# Altium PCB PCB.PcbDoc
Units mm, origin at the board's own origin, x right, y up, seen from the top; angles counter-clockwise.
Board outline 32 x 27 mm, 4 copper layers (L1(SIGNAL), L2 (GND), L3(GND), L4(SIGNAL)), stack 1.57 mm thick; 35 components, 27 nets, 170 pads, 60 vias.
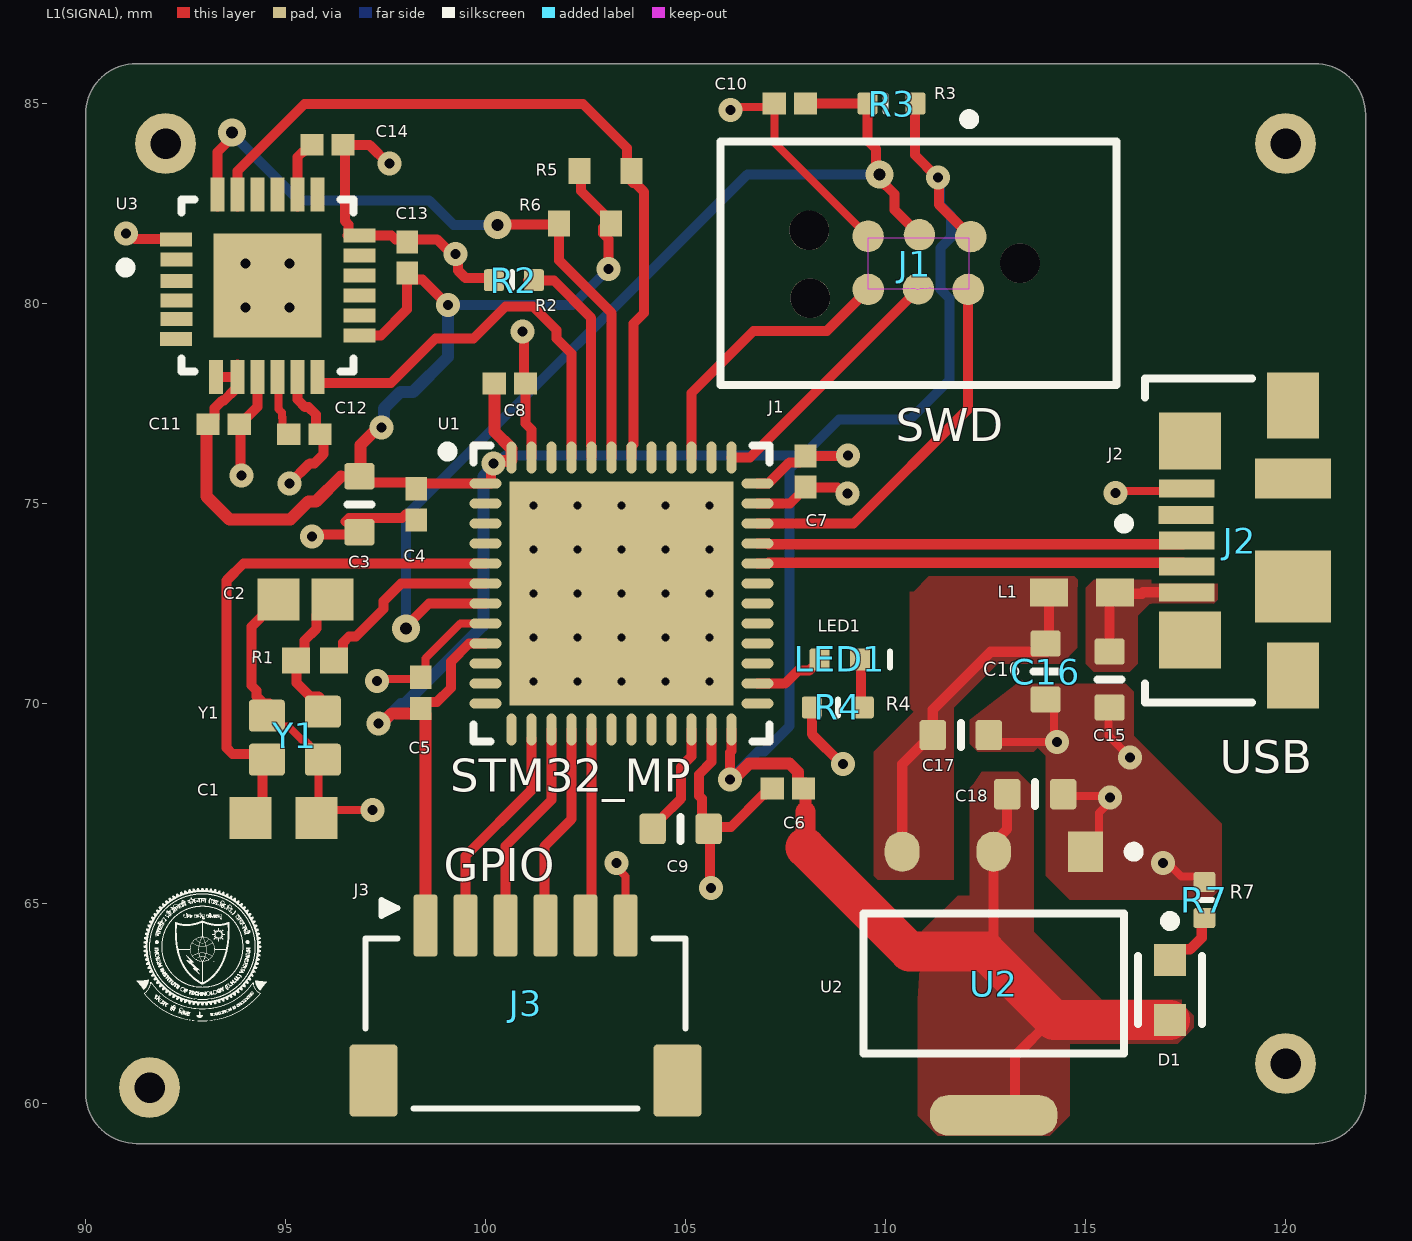
[diagram p0: L1(SIGNAL) view]
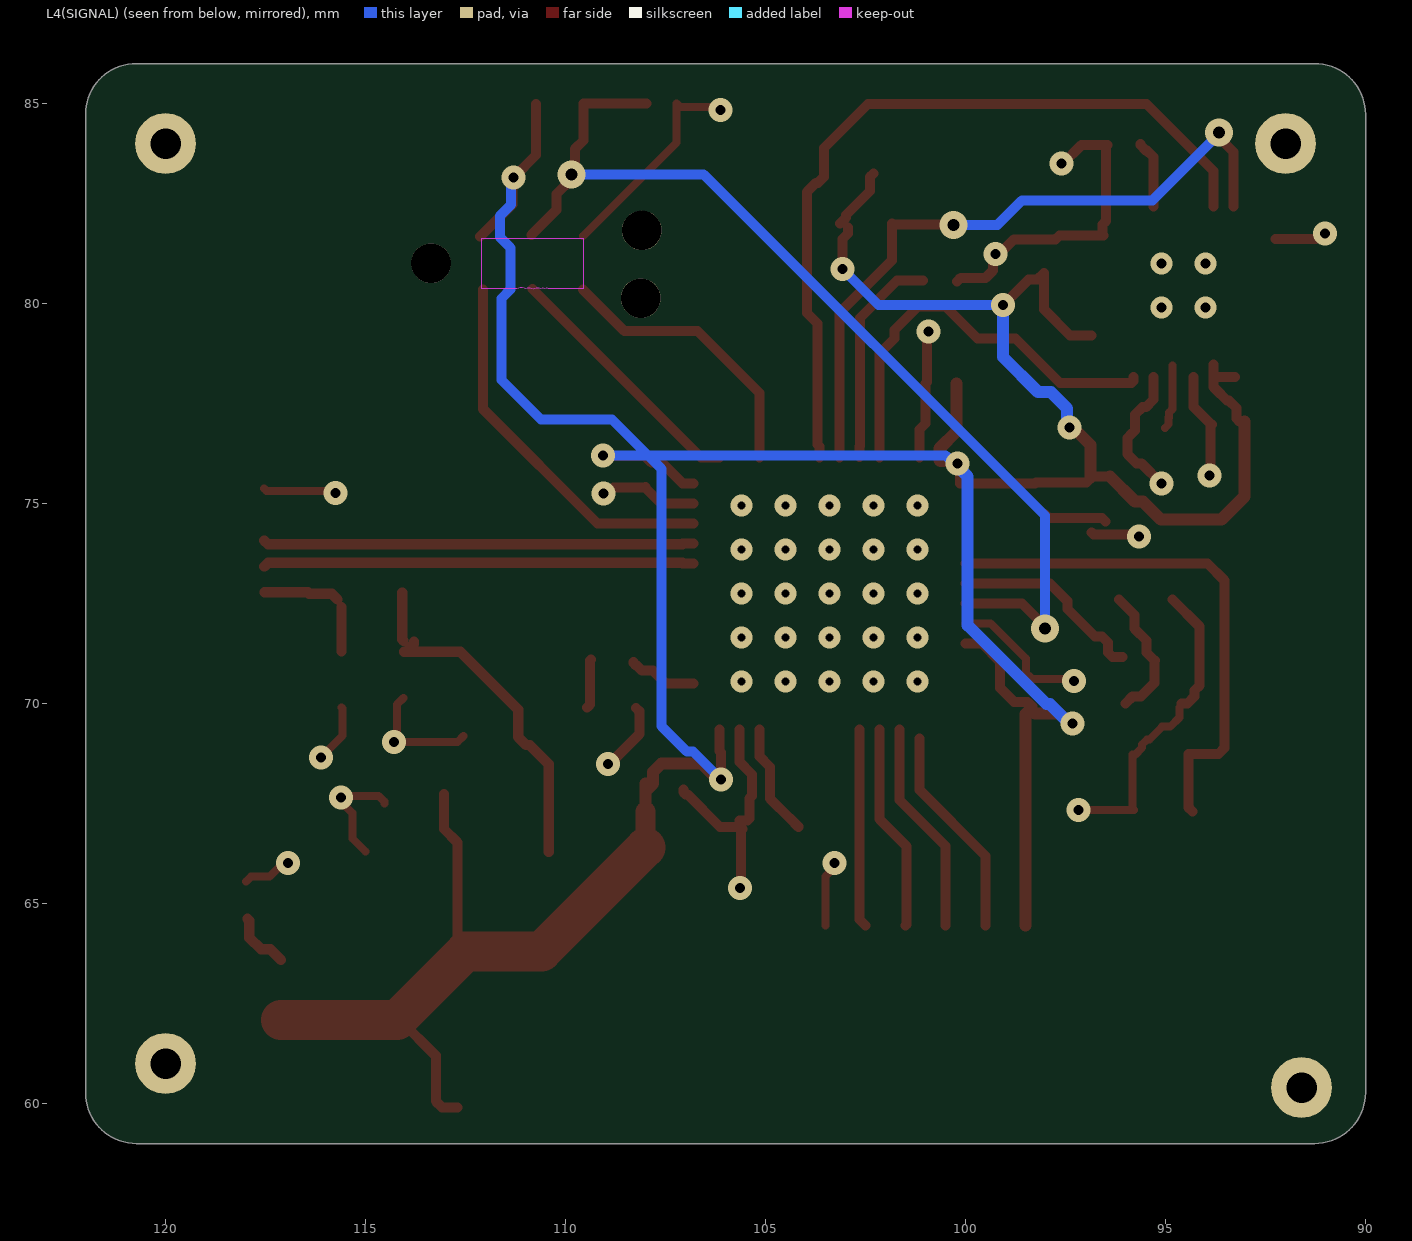
[diagram p1: L4(SIGNAL) view, seen from below]
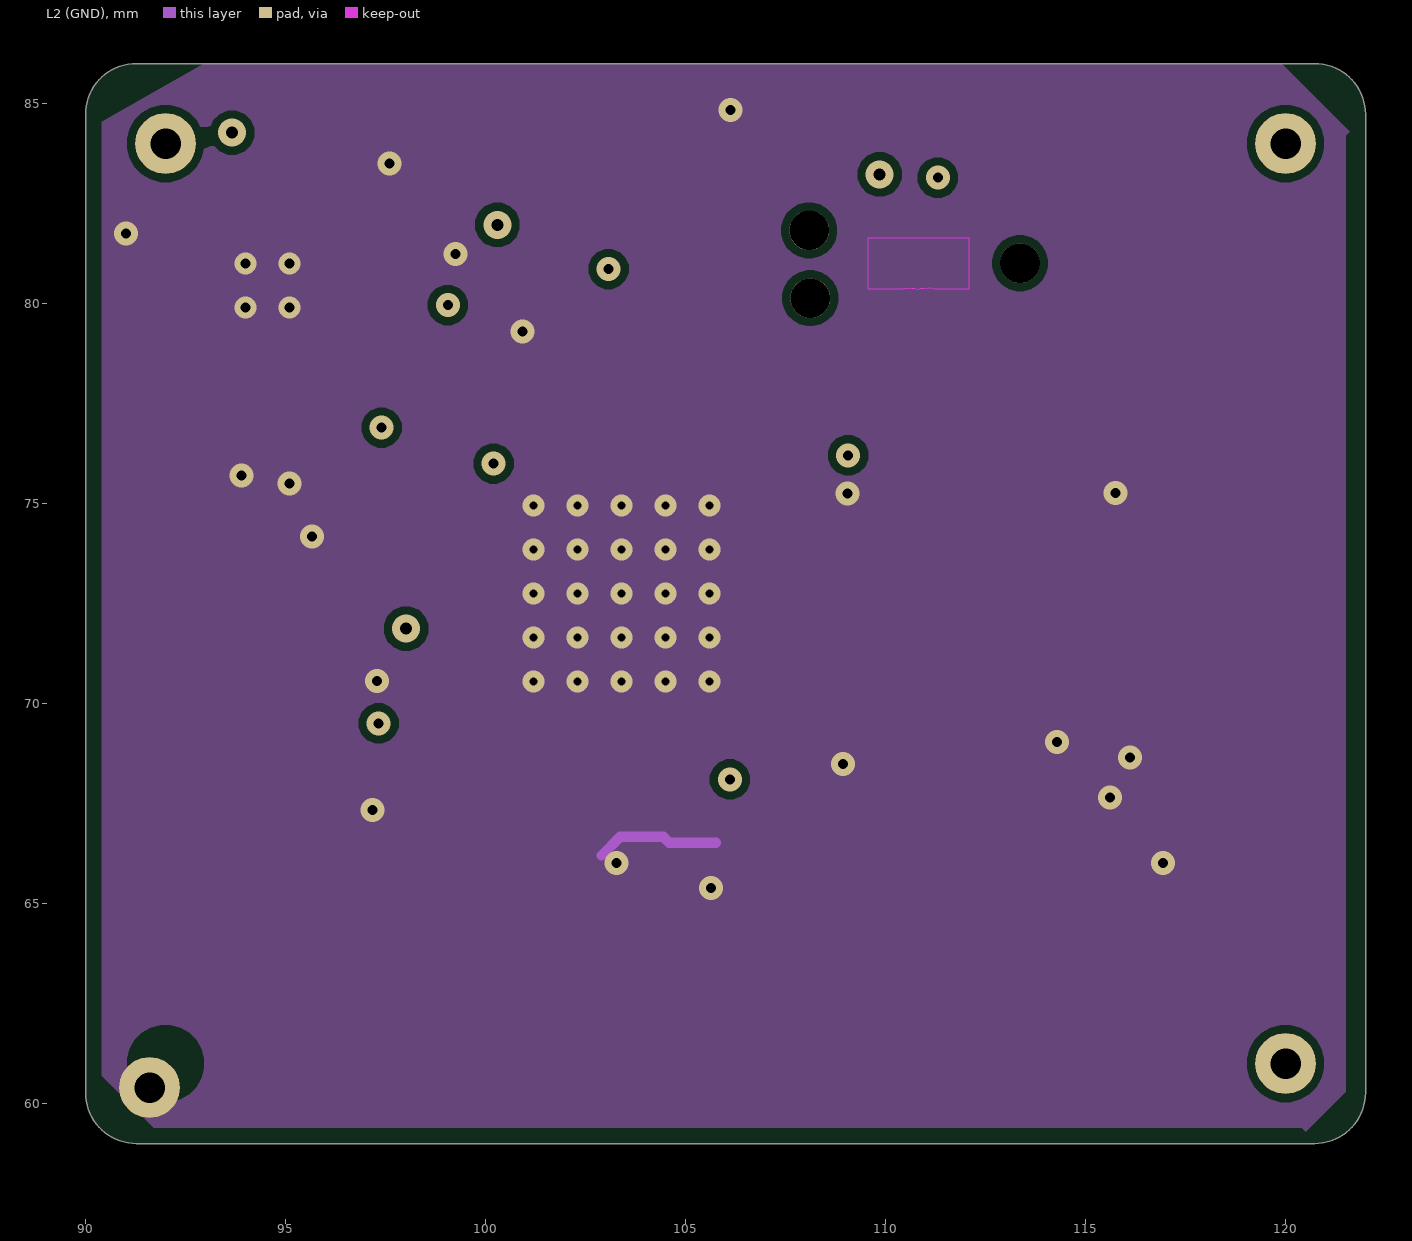
[diagram p2: L2 (GND)]
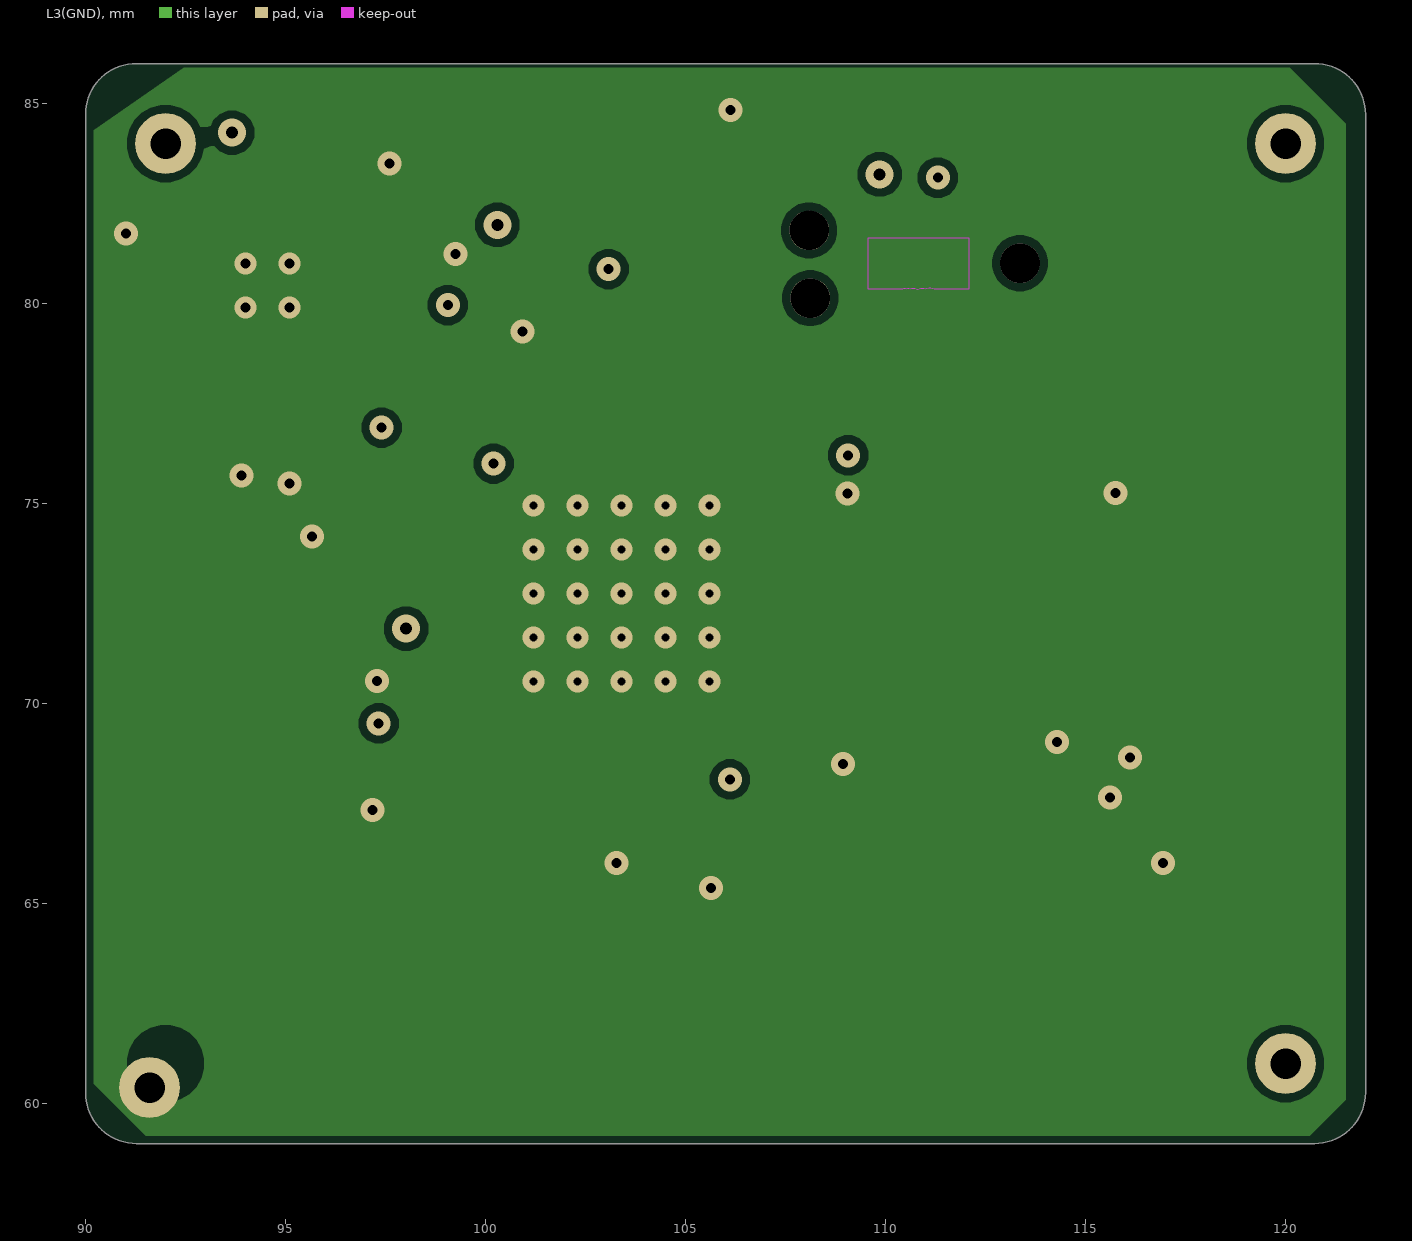
[diagram p3: L3(GND)]
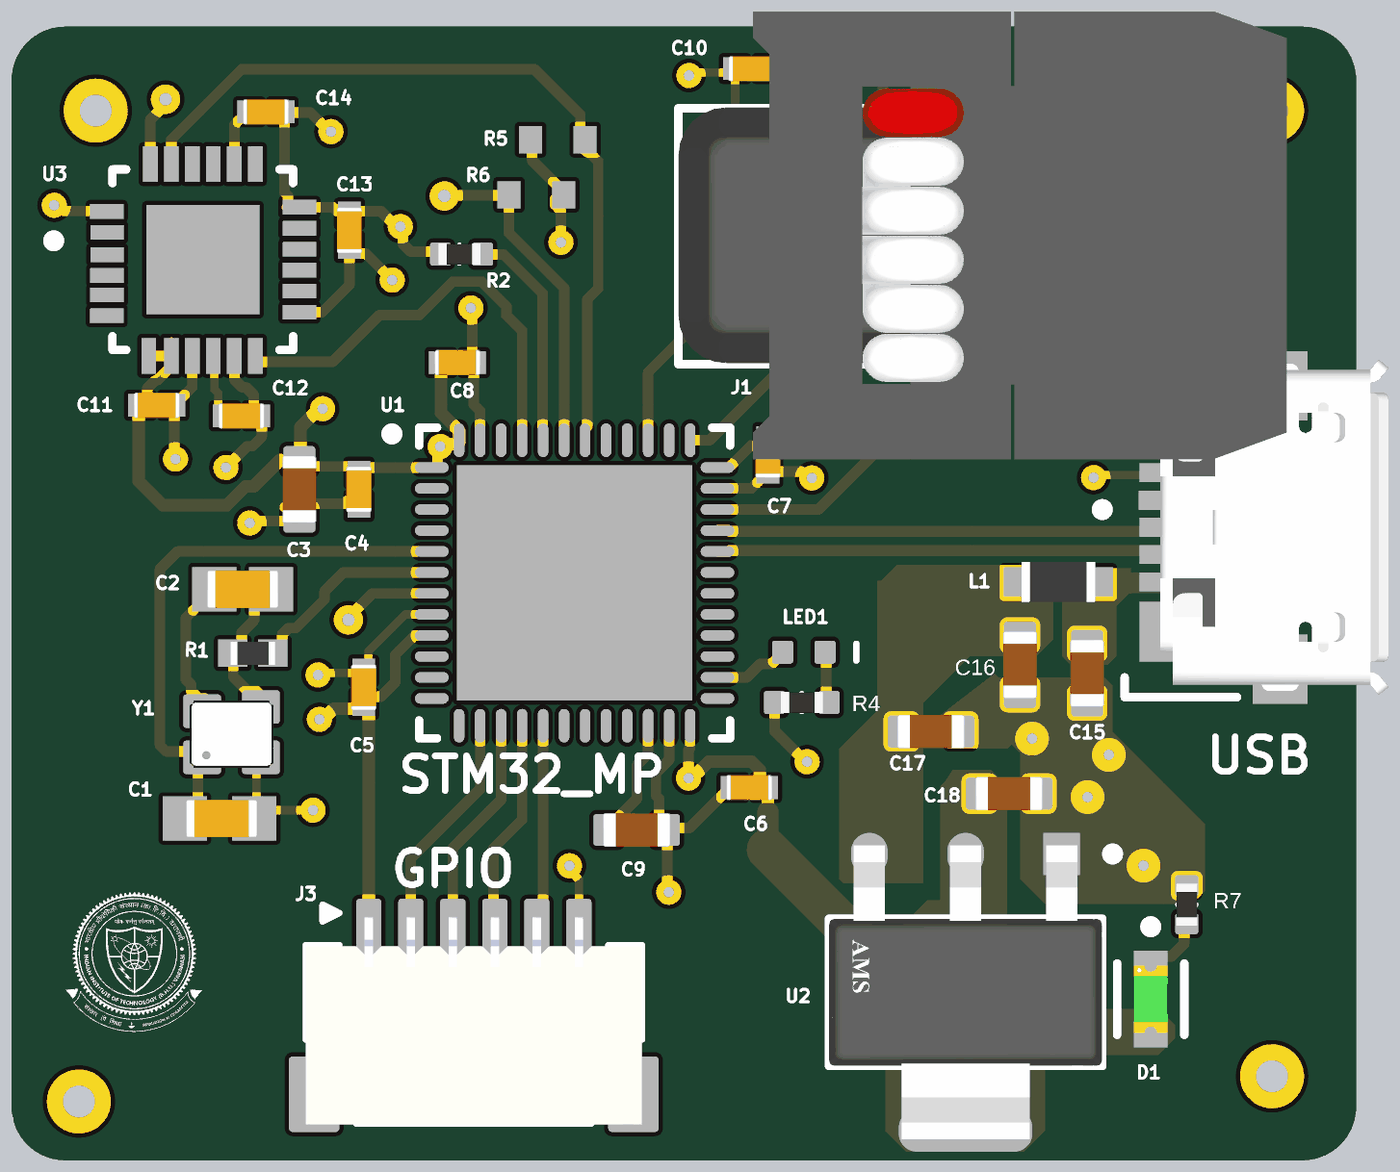
[diagram p4: 3D render of the assembled board from above, using the file's embedded part models]

## Layer stack, top to bottom
Top Solder: solder mask 0.0254, SM-001, Dk 4
L1(SIGNAL): signal copper 0.035
Dielectric 1: prepreg 0.2, PP-017, Dk 4.6
L2 (GND): signal copper 0.0175
Dielectric 3: core 1.065, Core-039, Dk 4.6
L3(GND): signal copper 0.0175
Dielectric 5: prepreg 0.2, PP-017, Dk 4.6
L4(SIGNAL): signal copper 0.035
Bottom Solder: solder mask 0.0254, SM-001, Dk 4

## Board outline
90,60.27 90,84.73 cw(c91.27,84.73) 91.27,86 120.73,86 cw(c120.73,84.73) 122,84.73 122,60.27 cw(c120.73,60.27) 120.73,59 91.27,59 cw(c91.27,60.27)

## Design rules (kind name [scope] priority, off if disabled: settings)
Clearance [All] p1: gap=0.2 ignorepadtopadclearanceinfootprint=TRUE
DiffPairsRouting [All] p1: maxlimit=0.254 minlimit=0.2 mostfreqgap=0.254 toplayer_maxgap=0.2 toplayer_prefgap=0.2 toplayer_minwidth=0.26 toplayer_maxwidth=0.26 toplayer_prefwidth=0.26 bottomlayer_maxgap=0.2 bottomlayer_prefgap=0.2 bottomlayer_minwidth=0.26 bottomlayer_maxwidth=0.26 bottomlayer_prefwidth=0.26 impedanceprofiledriven=TRUE impedanceprofileid={5DBD40D5-4819-4B04-969E-BD777E31F907} impedanceprofilevalue=90.000000 maxuncoupledlength=12.7
MinimumSolderMaskSliver [All] p1: minsoldermaskwidth=0.012
PolygonConnect [All] p1: connectstyle=Direct reliefconductorwidth=0.254 reliefentries=4 polygonreliefangle="90 Angle" airgapwidth=0.254
RoutingVias [All] p1: holewidth=0.3 width=0.7 viastyle="Through Hole" minholewidth=0.15 minwidth=0.25 maxholewidth=0.4 maxwidth=0.9
SilkToSilkClearance [All] p1: silktosilkclearance=0.054
SilkToSolderMaskClearance [IsPad] p1: minsilkscreentomaskgap=0.054 clearancetoexposedcopper=FALSE
SolderMaskExpansion [All] p1: expansion=0.102 istentingtop=FALSE
SupplyNets "Schematic Supply Nets_3" [InNet('GND')] p1: voltage=0.000
SupplyNets "Schematic Supply Nets_2" [InNet('VBUS')] p2: voltage=0.000
SupplyNets "Schematic Supply Nets_1" [InNet('+5')] p3: voltage=0.000
SupplyNets "Schematic Supply Nets" [InNet('3V3')] p4: voltage=0.000
UnRoutedNet [All] p1: checkbadconnections=TRUE
Width [All] p1: maxlimit=1 minlimit=0.2 preferedwidth=0.3 midlayer1_minwidth=0.254 midlayer1_maxwidth=0.254 midlayer1_prefwidth=0.254 midlayer2_minwidth=0.254 midlayer2_maxwidth=0.254 midlayer2_prefwidth=0.254 minimp=50.000000 maximp=50.000000 favimp=50.000000
25 further rules are at their usual default settings.

## Classes and differential pairs
differential pair USB_D: +USB_D_P -USB_D_N

## Components (designator, comment, footprint, x,y, rotation, side; value= is the part's Value field where it differs from the comment)
C1 "Capacitor 10 pF +/- 5% 50 V 0603" CAPC1608X90X40ML10T20#1 94.998,67.141 r180 top value=10pF
C2 "Capacitor 10 pF +/- 5% 50 V 0603" CAPC1608X90X40ML10T20#2 95.5,72.6 r0 top value=10pF
C3 "Capacitor 10µF +/-20% 10V 0603" CAPC0603(1608)100_L 96.848,74.98 r90 top value=2.2µF
C4 "Capacitor 0.1 uF +/- 5% 16 V 0402" CAPC1005X56X25LL10T15 98.265,74.98 r90 top value=100nF
C5 "Capacitor 0.1 uF +/- 5% 16 V 0402" CAPC1005X56X25LL10T15 98.379,70.265 r270 top value=100nF
C6 "Capacitor 0.1 uF +/- 5% 16 V 0402" CAPC1005X56X25LL10T15 107.558,67.877 r0 top value=100nF
C7 "Capacitor 0.1 uF +/- 5% 16 V 0402" CAPC1005X56X25LL10T15 108,75.8 r90 top value=100nF
C8 "Capacitor 0.1 uF +/- 5% 16 V 0402" CAPC1005X56X25LL10T15 100.61,78 r180 top value=100nF
C9 "Capacitor 10µF +/-20% 10V 0603" CAPC0603(1608)100_L 104.876,66.867 r180 top value=2.2µF
C10 "Capacitor 0.1 uF +/- 5% 16 V 0402" CAPC1005X56X25LL10T15 107.61,85 r0 top value=100nF
C11 "Capacitor 0.1 uF +/- 5% 16 V 0402" CAPC1005X56X25LL10T15 93.454,76.981 r180 top value=100nF
C12 "Capacitor 0.1 uF +/- 5% 16 V 0402" CAPC1005X56X25LL10T15 95.471,76.73 r180 top value=100nF
C13 "Capacitor 0.1 uF +/- 5% 16 V 0402" CAPC1005X56X25LL10T15 98.04,81.15 r270 top value=10nF
C14 "Capacitor 0.1 uF +/- 5% 16 V 0402" CAPC1005X56X25LL10T15 96.05,83.973 r180 top value=2.2nF
C15 "Capacitor 10µF +/-20% 10V 0603" CAPC0603(1608)100_L 115.6,70.6 r90 top value=2.2µF
C16 "Capacitor 10µF +/-20% 10V 0603" CAPC0603(1608)100_L 114,70.8 r90 top value=2.2µF
C17 "Capacitor 10µF +/-20% 10V 0603" CAPC0603(1608)100_L 111.882,69.212 r180 top value=22µF
C18 "Capacitor 10µF +/-20% 10V 0603" CAPC0603(1608)100_L 113.741,67.733 r180 top value=22µF
D1 "LED G" FP-LG_Q396-MFG 117.112,62.837 r270 top
J1 "TC2030-CTX-NL" FP-TC2030-CTX-NL-MFG 110.822,81.008 r180 top
J2 "473460001" FP-473460001-MFG 119.843,74.075 r90 top
J3 "SM06B-SRSS-TB" JST-SM06B-SRSS-TB_V 101,62 r0 top (schematic designator CN1)
L1 "BLM18AG121SN1D" MURA-BLM18-F-H1-CHIP-2_V 114.912,72.773 r180 top
LED1 "LED_R" QTB-QBLP595_V 108.807,71.102 r180 top
R1 "Resistor 0R 0402 63 mW" RESC1005X40X25ML05T10 95.741,71.078 r0 top value=0R
R2 "Resistor 10K  +/-1 % 0402 63 mW" RESC0402(1005)_L#1 100.66,80.582 r0 top value=10k
R3 "Resistor 10K  +/-1 % 0402 63 mW" RESC0402(1005)_L#2 110,85 r0 top value=10k
R4 "Resistor 1K +/-5 % 0402 63 mW" RESC0402(1005)_L#3 108.807,69.902 r0 top value=1k
R5 "2K2" RESC0402(1005)_N 103.151,83.309 r180 top value="2200.00 Ohm"
R6 "2K2" RESC0402(1005)_N 102.339,81.995 r0 top value="2200.00 Ohm"
R7 "Resistor 1K +/-5 % 0402 63 mW" RESC0402(1005)_L#4 117.972,65.087 r270 top value=1k
U1 "STM32F411CEU6" STM-UFQFPN48_L 103.4,72.75 r0 top
U2 "AMS1117 3V3" FP-ams1117-IPC_C 112.705,63 r270 top
U3 "MPU-6050" IS-QFN-24_V 94.55,80.45 r0 top
Y1 "24MHz" EPSON-FA-128_V 95.233,69.147 r90 top

## Footprints (in the part's own frame and the unit in brackets; to place one, negate y for a bottom-side part, rotate by r counter-clockwise, add the part's x,y. Pads: shape width x height; smd on the part's side, far side on the other; paste and mask are expansions set on the pad)
CAPC0603(1608)100_L [mm] "Chip Capacitor, Body 1.6x0.8mm, Height 1.0mm, IPC High Density"
  rrect25% 0.66x0.76 smd: 1(-0.7,0) 2(0.7,0)
  silkscreen extent 0,-0.3 0,0.3, body extent -0.8,-0.4 0.8,0.4, height 0.95
CAPC1005X56X25LL10T15 [mm] "Chip Capacitor, 2-Leads, Body 1.10x0.60mm, IPC High Density"
  rect 0.58x0.54 smd: 1(-0.39,0) 2(0.39,0)
  body extent -0.55,-0.3 0.55,0.3, height 0.56
CAPC1608X90X40ML10T20#1 [mm] "Chip Capacitor, 2-Leads, Body 1.70x0.90mm, IPC Low Density"
  rect 1.05x1.05 smd: 1(-0.775,0) 2(0.875,0)
  body extent -0.85,-0.45 0.85,0.45, height 0.9
CAPC1608X90X40ML10T20#2 [mm] "Chip Capacitor, 2-Leads, Body 1.70x0.90mm, IPC Low Density"
  rect 1.05x1.05 smd: 1(-0.675,0) 2(0.675,0)
  body extent -0.85,-0.45 0.85,0.45, height 0.9
EPSON-FA-128_V [mm] "SMD, 4-Leads, Body 2x1.6mm, Pitch 1.45mm"
  rrect20% 0.8x0.9 smd: 1(-0.55,0.7) 2(-0.55,-0.7) 3(0.65,-0.7) 4(0.55,0.7)
  body extent -0.8,-1 0.8,1, height 0.4
FP-473460001-MFG [mm]
  rect 0.45x1.38 smd paste+0 mask+0: 1(-1.3,2.31) 2(-0.65,2.31) 3(0,2.31) 4(0.643,2.329) 5(1.3,2.31)
  rect 1.425x1.55 smd paste+0 mask+0: 6(-2.488,2.225) 7(2.488,2.225)
  rect 1.65x1.3 smd paste+0 mask+0: 8(-3.375,-0.35) 11(3.375,-0.35)
  rect 1.8x1.9 smd paste+0 mask+0: 9(-1.15,-0.35)
  rect 1x1.9 smd paste+0 mask+0: 10(1.55,-0.35)
  silkscreen extent -4.05,0.67 4.05,4.01, body extent -4.3,-2.48 4.3,3.45, height 0.25
FP-ams1117-IPC_C [mm]
  rect 1.004x0.872 smd paste+0 mask+0: 1(-3.295,2.29)
  rrect100% 1.004x0.872 smd paste+0 mask+0: 2(-3.295,0) 3(-3.295,-2.29)
  rrect87% 1.004x3.182 smd paste+0 mask+0: 4(3.295,0)
  silkscreen extent -3.42,-3.25 1.75,3.63, body extent -3.9,-3.35 3.9,3.35, height 0.25
FP-LG_Q396-MFG [mm]
  rect 0.8x0.8 smd paste+0 mask+0: 1(-0.75,0) 2(0.75,0)
  silkscreen extent -1.85,-0.8 0.85,0.8, body extent -1.25,-0.55 1.25,0.55, height 0.25
FP-TC2030-CTX-NL-MFG [mm]
  round 0.787 smd paste-1000 mask+0: 1(-1.311,-0.664) 2(-1.246,0.657) 3(-0.027,-0.71) 4(-0.001,0.642) 5(1.256,-0.673) 6(1.253,0.657)
  round 0.991 hole 0.991 unplated paste-2539.97 mask+0: ""(-2.54,0) ""(2.704,0.874) ""(2.731,-0.819)
  Keep-Out Layer region: -1.27,-0.626 1.27,-0.626 1.27,0.635 0.393,0.635 0.349,0.631 0.305,0.635 0.305,0.635 0.254,0.63 0.204,0.635 0.204,0.635 0.109,0.625 0.017,0.652 0.017,0.652 -0.074,0.625 -0.169,0.635 -0.169,0.635 -0.281,0.613 -0.393,0.635 -0.393,0.635 -1.27,0.635
  silkscreen extent -4.95,-3.72 4.95,3.05, body extent -5.05,-3.17 5.05,3.13, height 0.25
IS-QFN-24_V [mm] "QFN, 24-Leads, Body 4x4mm, Pitch 0.5mm, Thermal Pad 2.7x2.6mm"
  rect 0.8x0.35 smd: 1(-2.287,1.15) 2(-2.278,0.653) 3(-2.278,0.118) 4(-2.28,-0.375) 5(-2.28,-0.84) 6(-2.287,-1.333) 13(2.3,-1.25) 14(2.3,-0.75) 15(2.3,-0.25) 16(2.3,0.25) 17(2.3,0.75) 18(2.3,1.25)
  rect 0.35x0.85 smd mask+0.102: 7(-1.287,-2.291) 8(-0.75,-2.291) 9(-0.25,-2.291) 10(0.25,-2.291) 11(0.75,-2.291) 12(1.25,-2.291) 19(1.25,2.275) 20(0.75,2.275) 21(0.25,2.275) 22(-0.25,2.275) 23(-0.75,2.275) 24(-1.25,2.275)
  rect 2.7x2.6 smd: 25(0,0)
  silkscreen extent -3.67,-2.15 2.15,2.15, body extent -2,-2 2,2, height 0.95
JST-SM06B-SRSS-TB_V [mm] "SMD, 6-Leads, Body 8x4.25mm, Pitch 1mm"
  rrect25% 0.6x1.55 smd: 1(-2.5,2.45) 2(-1.5,2.45) 3(-0.5,2.45) 4(0.5,2.45) 5(1.5,2.45) 6(2.5,2.45)
  rrect15% 1.2x1.8 smd: MP1(-3.8,-1.425) MP2(3.8,-1.425)
  silkscreen extent -4,-2.12 4,3.09, body extent -4,-2.15 4,2.8, height 2.9
MURA-BLM18-F-H1-CHIP-2_V [mm] "Chip Ferrite Bead, 2-Leads, Body 1.6x0.8mm, Height 0.95mm, Flow"
  rect 0.95x0.7 smd: 1(-0.825,0) 2(0.825,0)
  body extent -0.87,-0.48 0.87,0.48, height 0.95
QTB-QBLP595_V [mm] "SMD, 2-Leads, Body 1x0.5mm"
  rrect25% 0.5x0.55 smd: 1(-0.555,0) 2(0.455,0)
  silkscreen extent -1.3,-0.2 -1.3,0.2, body extent -0.5,-0.25 0.5,0.25, height 0.5
RESC0402(1005)_L#1 [mm] "Chip Resistor, Body 1.0x0.5mm, IPC High Density"
  rrect25% 0.5x0.55 smd: 1(-0.45,0) 2(0.55,0)
  silkscreen extent 0,-0.2 0,0.2, body extent -0.5,-0.25 0.5,0.25, height 0.3
RESC0402(1005)_L#2 [mm] "Chip Resistor, Body 1.0x0.5mm, IPC High Density"
  rrect25% 0.5x0.55 smd: 1(-0.45,0) 2(0.75,0)
  silkscreen extent 0,-0.2 0,0.2, body extent -0.5,-0.25 0.5,0.25, height 0.3
RESC0402(1005)_L#3 [mm] "Chip Resistor, Body 1.0x0.5mm, IPC High Density"
  rrect25% 0.5x0.55 smd: 1(-0.65,0) 2(0.65,0)
  silkscreen extent 0,-0.2 0,0.2, body extent -0.5,-0.25 0.5,0.25, height 0.3
RESC0402(1005)_L#4 [mm] "Chip Resistor, Body 1.0x0.5mm, IPC High Density"
  rrect25% 0.5x0.55 smd: 1(-0.45,0) 2(0.45,0)
  silkscreen extent 0,-0.2 0,0.2, body extent -0.5,-0.25 0.5,0.25, height 0.3
RESC0402(1005)_N [mm] "Chip Resistor, Body 1.0x0.5mm, IPC Medium Density"
  rect 0.55x0.65 smd: 1(-0.5,0) 2(0.8,0)
  body extent -0.52,-0.27 0.53,0.28, height 0.4
RESC1005X40X25ML05T10 [mm] "Chip Resistor, 2-Leads, Body 1.05x0.55mm, IPC Low Density"
  rect 0.7x0.65 smd: 1(-0.475,0) 2(0.475,0)
  body extent -0.53,-0.28 0.53,0.28, height 0.4
STM-UFQFPN48_L [mm] "QFN, 48-Leads, Body 7.1x7.1mm, Pitch 0.5mm, Thermal Pad 5.6x5.6mm, IPC High Density"
  oval 0.8x0.25 smd: 1(-3.4,2.75) 2(-3.4,2.25) 3(-3.4,1.75) 4(-3.4,1.25) 5(-3.4,0.75) 6(-3.4,0.25) 7(-3.4,-0.25) 8(-3.4,-0.75) 9(-3.4,-1.25) 10(-3.4,-1.75) 11(-3.4,-2.25) 12(-3.4,-2.75) 25(3.4,-2.75) 26(3.4,-2.25) 27(3.4,-1.75) 28(3.4,-1.25) 29(3.4,-0.75) 30(3.4,-0.25) 31(3.4,0.25) 32(3.4,0.75) 33(3.4,1.25) 34(3.4,1.75) 35(3.4,2.25) 36(3.4,2.75)
  oval 0.25x0.8 smd: 13(-2.75,-3.4) 14(-2.25,-3.4) 15(-1.75,-3.4) 16(-1.25,-3.4) 17(-0.75,-3.4) 18(-0.25,-3.4) 19(0.25,-3.4) 20(0.75,-3.4) 21(1.25,-3.4) 22(1.75,-3.4) 23(2.25,-3.4) 24(2.75,-3.4) 37(2.75,3.4) 38(2.25,3.4) 39(1.75,3.4) 40(1.25,3.4) 41(0.75,3.4) 42(0.25,3.4) 43(-0.25,3.4) 44(-0.75,3.4) 45(-1.25,3.4) 46(-1.75,3.4) 47(-2.25,3.4) 48(-2.75,3.4)
  rect 5.6x5.6 smd: 49(0,0)
  silkscreen extent -4.47,-3.7 3.7,3.7, body extent -3.55,-3.55 3.55,3.55, height 0.6

## Part data
C1 C2: library part CMP-001-00014-6, "Chip Capacitor, 10 pF, +/- 5%, 50 V, 0603 (1608 Metric)", Capacitor Type=Ceramic, Case/Package=0603, Max Operating Temperature=125°C, Min Operating Temperature=-55°C, Tolerance=5%, Voltage Rating=50V, Mounting Technology=SM, Pins=2, RoHS Compliant=True
C3 C9 C15 C16 C17 C18: library part CMP-001-00075-4, "Chip Capacitor, 10µF +/-20%, 10V, 0603, Thickness 1 mm", Case/Package=0603, Max Operating Temperature=85°C, Min Operating Temperature=-55°C, Tolerance=10%, Voltage Rating=10V, Mounting Technology=SMT, Pins=2
C4 C5 C6 C7 C8 C10 C11 C12 C13 C14: library part CMP-001-00001-6, "Chip Capacitor, 0.1 uF, +/- 5%, 16 V, 0402 (1005 Metric)", Capacitor Type=Ceramic, Case/Package=0402, Max Operating Temperature=125°C, Min Operating Temperature=-55°C, Tolerance=5%, Voltage Rating=16V, Mounting Technology=SM, Pins=2, RoHS Compliant=True
D1: library part CMP-62016-000069-1, "LED GREEN DIFFUSED 0603 SMD", Case Code (Imperial)=0603, Case Code (Metric)=1608, Color=Green, Forward Current=20mA, Forward Voltage=2V, Lens Color=White, Case/Package=0603, Dominant Wavelength=573nm, Height=0.4mm, Length=1.6mm, Lens Size=0.8mm, Lens Style=Flat, Lens Transparency=Diffused, Luminous Intensity=163mcd, Mount="Surface Mount", Packaging="Tape and Reel", REACH SVHC="No SVHC", RoHS Compliant=Yes, Test Current=20mA, Viewing Angle=120°, Wavelength=573nm, Width=0.8mm
J1: library part CMP-205963-000001-1, "6-Pin “No legs” TC2030 Plug-of-Nails™ Cable for use with ARM Cortex processors"
J2: library part CMP-2000-05246-2, "CONN RCPT USB2.0 MICRO B SMD R/A", Current Rating=1.8A, Manufacturer=Molex, Package=0, Temperature="-30°C to +85°C", Temperature Range High=+85°C, Temperature Range Low=-30°C, Voltage Rating=30V, Automotive=No, Category=Conn, ComponentLink2Description=Datasheet, ComponentLink2URL=https://www.molex.com/webdocs/datasheets/pdf/en-us/0473460001_IO_CONNECTORS.pdf, Conn Orientation="Right Angle", Contact Material=Gold,Nickel, Device Class L1=Connectors, Device Class L2="USB Connectors", Device Class L3=unset, Digikey Description="CONN RCPT USB2.0 MICRO B SMD R/A", Footprint Url=https://www.molex.com/pdm_docs/sd/473460001_sd.pdf, Height=2.945mm, Is Female=yes, Lead Free=Yes, Manufacturer Part Number=473460001, Number Of Contacts=5, Octopart=https://octopart.com/47346-0001-molex-7164928, Pitch=0.65mm, RoHS=TRUE, Shielding=true, Usb Standard="USB 2.0"
J3: library part CMP-002-00060-3, "Male Header, Pitch 1 mm, 1 x 6 Position, Height 2.95 mm, -25 to 85 degC, RoHS, Tape and Reel", Case/Package="Male Header, Pitch 1 mm, 1 X 6 Position, Height 2.9 mm", Mounting Technology=SurfaceMount, Pins=8
L1: library part CMP-006-00004-3, "Chip Ferrite Bead for General Use, 120 Ohm, 500 mA, -55 to 125 degC, 0603 (1608 Metric), RoHS, Tape and Reel", Case/Package=0603, Current Rating=500mA, Manufacturer=Murata, Max Operating Temperature=125°C, Min Operating Temperature=-55°C, Package Quantity=4000, Package Reference=BLM18_H950-2, Resistance=200mohm, Tolerance=25%, Core Material=Ferrite, Datasheet URL=https://statics3.seeedstudio.com/images/opl/datasheet/303010016.pdf, Datasheet Version=Jun-12, Impedance=120Ohm, Max Current Rating=500mA, Packaging=TapeandReel, RoHS Compliant=True
LED1: library part CMP-007-00040-3, "Chip LED 0402, Red, 0.02 A, 2.0 to 2.5 V, -40 to 80 degC, 2-Pin SMD, RoHS, Tape and Reel", Case/Package=0402, Colour=Red, Mounting Technology=SMT, Pins=2, RoHS Compliant=Yes
R1: library part CMP-009-00004-5, "Chip Resistor, 0 Ohm, 0.063 W, -55 to 155 degC, 0402 (1005 Metric)", Case/Package=0402, Max Operating Temperature=155°C, Min Operating Temperature=-55°C, Power=63mW, Voltage Rating=50V, Mounting Technology=SM, Pins=2, RoHS Compliant=True
R2 R3: library part CMP-009-00149-3, "Chip Resistor, 10 kOhms, +/-1 %, 63 mW, -55 to 125 degC, 0402", Case/Package=0402, Max Operating Temperature=155°C, Min Operating Temperature=-55°C, Power=63mW, Tolerance=1%, Pins=2
R4 R7: library part CMP-009-00157-3, "Chip Resistor, 1 kOhms, +/-5 %, 63 mW, -55 to 155 degC, 0402", Case/Package=0402, Max Operating Temperature=155°C, Min Operating Temperature=-55°C, Power=63mW, Tolerance=5%, Pins=2
R5 R6: library part CMP-1011-00082-1, "2K2 0.063W 5% 0402 (1005 Metric)  SMD", Case-EIA=0402, Case-Metric=1005, Power="0.063 W", Tolerance="5 %", Technology=SMT
U1: library part CMP-0243-00165-1, "ARM Cortex-M4 32-bit MCU+FPU, 512 KB Flash, 128 KB RAM, 36 I/Os, 48-Pin UFQFPN, -40 to 85 degC, Tray", I/Os (High Current)=36, Operating Frequency(F) (Processor speed) (MHz)=100, Package Description=UFQFPN48, Package Reference="48-Pin Ultra Thin Fine Pitch Quad Flat No-Lead, 7 x 7 x 0.6 mm Body, 0.5 mm Pitch, Exposed Pad", Supply Voltage(Vcc) min (V)=1.7, ComponentLink1Description="Manufacturer URL", ComponentLink1URL=http://www.st.com/, ComponentLink2Description=Datasheet, ComponentLink2URL=http://www.st.com/st-web-ui/static/active/en/resource/technical/document/datasheet/DM00115249.pdf, Core="ARM Cortex-M4", DatasheetVersion="Rev. 6", FLASH Size (Prog) (kB)=512, Internal RAM Size (kB)=128, Mounting Technology="Surface Mount", Packing=Tray
U2: library part CMP-209535-000002-1, "1A LOW DROPOUT VOLTAGE REGULATOR", RoHS Compliant=Yes
U3: library part CMP-1753-00002-2, "3-Axis Gyroscope, Accelerometer and a Digital Motion Processor(TM) (DMP), 2.375 to 3.46 V, -40 to 85 degC, 24-Pin QFN, RoHS, Tape and Reel", Manufacturer=InvenSense, Standard Package=5,000, Category=Sensors,Transducers, Datasheet URL=http://datasheet.octopart.com/MPU-6050-InvenSense-datasheet-14421344.pdf, Datasheet Version="Rev. 3.3, 05/2012", Dynamic Catalog=MPU-6000™Series, Family=Multifunction, Featured Product=MPU-60506-Axis,IntegratedI²CSolution, Manufacturer URL=http://www.invensense.com/, Online Catalog=MPU-6000™Series, Other Names="1428-1007-2 / MPU6050", Output Type=Digital, Sensor Type=MotionTracking, Unit PriceUSD=Digital
Y1: library part CMP-003-00028-1, "Crystal, 24 MHz, +/- 10 ppm, -20 to 75 degC, 4-Pin SMD, RoHS, Tape and Reel", Case/Package=SMD/SMT, Load Capacitance=12pF, Max Operating Temperature=75°C, Min Operating Temperature=-20°C, ESR=80, Frequency=24MHz, Mounting Technology=SMT, Pins=4, RoHS Compliant=Yes

## Free pads (board coordinates)
  round 1.524 hole 0.762: MH(91.6,60.4) MH(92,84) MH(120,61) MH(120,84)

## Via types
v1: diameter 0.6, hole 0.25, L1(SIGNAL) to L4(SIGNAL), 27 vias
v2: diameter 0.551, hole 0.2, L1(SIGNAL) to L4(SIGNAL), 25 vias
v3: diameter 0.551, hole 0.251, L1(SIGNAL) to L4(SIGNAL), 4 vias
v4: diameter 0.7, hole 0.3, L1(SIGNAL) to L4(SIGNAL), 4 vias

## Nets (pads, with @x,y where several pads share a name; then routed paths per layer and width w, separated by ;. In a path a pad name is that pad's centre, name@x,y a point inside that pad or via, vN(x,y) a via of type N, cw(c..) or ccw(c..) an arc to the next point about the centre after c; other vN are vias at no path point)
3V3: C3.2 C4.2 C5.2 C6.2 C7.2 C8.2 C11.2 C13.2 C18.2 D1.2 J1.1 J3.1 R3.2 R5.2 R6.2 U1.1 U1.9 U1.24 U1.36 U1.48 U2.2 U2.4 U3.7 U3.8 U3.13 | length 106
  L1(SIGNAL) w0.25: C11.2@93.149,77.046 93.229,77.126 93.229,77.385 93.419,77.576 93.46,77.576 93.744,77.859 93.75,77.859 93.8,77.909 U3.8@93.8,78.475 ; U3.7 U3.8 ; 96.392,75.68 C3.2 ; C3.2@96.846,75.654 96.974,75.525 98.239,75.525 98.265,75.5 100.133,75.5 100.133,75.933 v1(100.2,76) ; U3.13 97.385,79.2 98.04,79.855 C13.2 C13.2@98.192,80.608 ; C13.2@98.185,80.595 98.426,80.595 v1@99.058,79.964 ; C5.2@98.329,69.924 98.445,70.04 98.783,70.04 99.134,70.391 99.134,71.046 99.589,71.5 U1.9 ; R5.2@102.304,83.251 102.387,83.167 102.387,82.816 102.989,82.214 102.989,82.145 R6.2 ; R6.2@102.935,81.899 102.935,81.75 103.075,81.61 v1(103.075,80.863) ; v1(106.111,68.101) 106.111,68.776 106.15,68.814 U1.24 ; U1.36 107.075,75.5 107.075,75.505 107.595,76.025 107.855,76.025 C7.2@108.01,76.18 ; C7.2@108.004,76.186 109.045,76.186 v1(109.063,76.205) ; R3.2@110.735,84.986 110.735,83.71 111.296,83.149 v1(111.306,83.149) 111.331,83.125 111.331,82.474 J1.1 ; U2.4@112.705,59.898 113.082,59.898 113.242,60.058 113.242,61.195 114.135,62.087 ; 112.705,63.8 U2.2 112.705,66.529 113.041,66.866 C18.2
  L1(SIGNAL) w0.3: C11.2@93.025,77.046 93.025,75.175 93.6,74.6 95.119,74.6 95.569,75.05 95.762,75.05 96.392,75.68 ; C3.2@96.872,75.68 96.872,76.461 97.254,76.843 97.343,76.843 v1(97.4,76.9) ; v1(97.325,69.501) 97.406,69.501 97.659,69.753 98.259,69.753 98.379,69.873 C5.2 ; C5.2@98.379,69.855 98.5,69.734 J3.1 ; v1(100.2,76) 100.257,76.057 100.625,76.057 100.65,76.082 U1.48 100.65,76.375 100.22,76.805 C8.2 ; v1(106.111,68.101) 106.193,68.101 106.588,68.497 107.603,68.497 107.808,68.292 107.808,67.997 107.928,67.877 C6.2 ; 108,67.3 C6.2@108,68
  L1(SIGNAL) w0.5: 108,66.4 108,67.3
  L1(SIGNAL) w1: 108,66.4 110.6,63.8 112.5,63.8 114.213,62.087 D1.2
  L4(SIGNAL) w0.25: v1@99.058,80.028 99.122,79.963 102.175,79.963 v1(103.075,80.863) ; v1(100.2,76) 100.295,76 100.495,76.2 107.935,76.2 ; v1(106.111,68.101) 106.812,68.801 106.968,68.801 107.602,69.434 107.602,75.867 107.935,76.2 ; v1(109.063,76.205) 109.058,76.2 107.935,76.2 ; v1(111.306,83.149) 111.359,83.096 111.359,82.474 111.643,82.19 111.643,81.663 111.374,81.394 111.374,80.354 111.6,80.128 111.6,78.086 110.614,77.1 108.835,77.1 107.935,76.2
  L4(SIGNAL) w0.3: v1(97.325,69.501) 97.406,69.501 97.888,69.982 97.972,69.982 99.946,71.957 99.946,75.674 100.2,75.928 v1(100.2,76) ; v1(97.4,76.9) 97.457,76.957 97.457,77.376 97.869,77.788 98.188,77.788 99.058,78.658 v1(99.058,79.963)
+5: C16.2 C17.2 L1.2 U2.3 | length 8.9
  L1(SIGNAL) w0.26: U2.3 110.415,68.479 110.898,68.962 110.982,68.962 111.182,69.162 111.182,69.845 112.63,71.293 C16.2@114.037,71.293 ; C16.2@113.787,71.543 113.787,71.493 C16.2@113.987,71.293 ; C16.2@114.051,71.565 114.087,71.601 L1.2
GND: C1.1 C2.1 C3.1 C4.1 C5.1 C6.1 C7.1 C8.1 C9.1 C10.1 C11.1 C12.1 C13.1 C14.1 C15.1 C16.1 C17.1 C18.1 J1.5 J2.5 J3.6 pad.MH@91.6,60.4 R2.1 R4.1 R7.1 U1.8 U1.23 U1.35 U1.47 U1.49 U2.1 U3.1 U3.9 U3.11 U3.18 U3.25 Y1.2 Y1.4 | length 63.9
  L1(SIGNAL) w0.2: Y1.4@94.65,69.903 94.65,69.652 94.883,69.419 95.083,69.419 95.405,69.097 95.466,69.097 95.583,68.979 95.583,68.897 95.752,68.727 95.827,68.727 95.827,67.372 95.793,67.338 v1(97.173,67.338) ; v1(97.292,70.559) 97.341,70.607 98.33,70.607 C5.1 ; C5.1@98.391,70.659 98.494,70.763 98.494,71.124 99.37,72 U1.8 ; v1(103.277,66.014) 103.277,65.905 103.501,65.682 J3.6 ; v1(106.122,84.837) 106.199,84.913 107.133,84.913 C10.1 107.22,84.027 J1.5 ; C17.1@112.552,69.184 112.694,69.042 114.211,69.042 v1(114.288,69.042) 114.211,69.119 114.211,69.981 C16.1@114.051,70.141 ; C18.1@114.531,67.5 114.531,67.551 114.671,67.691 115.568,67.691 v1(115.609,67.65) 115.609,67.541 115.331,67.263 115.331,66.631 U2.1 ; C15.1 115.571,69.871 115.571,69.202 116.115,68.658 v1(116.115,68.655) ; v1(115.754,75.259) 115.812,75.317 117.475,75.317 J2.5 ; v1(116.941,66.017) 117.049,66.017 117.397,65.67 117.863,65.67 R7.1@117.984,65.549
  L1(SIGNAL) w0.25: v1(91.012,81.746) 91.106,81.746 91.242,81.61 U3.1@92.253,81.61 ; C11.1 93.864,76.981 94.3,77.417 U3.9 ; C11.1@93.851,76.974 93.872,76.952 93.872,75.728 v1(93.9,75.7) ; Y1.4@94.6,70 94.453,70 94.273,70.18 94.273,70.327 94.146,70.454 94.146,71.921 C2.1 ; v1(95.1,75.5) 95.606,76.006 95.726,76.006 95.952,76.232 95.952,76.639 C12.1 95.763,76.828 95.763,77.223 95.577,77.409 95.49,77.409 95.3,77.599 U3.11 ; v1(95.667,74.178) 95.718,74.229 96.797,74.229 C3.1 ; C14.1@96.455,83.958 97.105,83.958 97.563,83.5 v1(97.6,83.5) ; C14.1@96.492,83.949 96.492,82.058 96.575,81.975 96.575,81.75 96.625,81.7 U3.18 ; C3.1@96.5,74.55 96.585,74.635 97.915,74.635 C4.1@98,74.72 ; U3.18@96.55,81.7 U3.18 ; R2.1@100.21,80.55 100.117,80.643 99.496,80.643 99.318,80.821 99.318,81.172 v1(99.251,81.239) 99.156,81.239 98.789,81.606 98.04,81.606 97.749,81.606 97.652,81.7 U3.18 ; v1(100.93,79.301) 100.965,79.266 100.965,78.035 C8.1 101,77 101.15,76.85 U1.47 ; v1(105.641,65.385) 105.609,65.417 105.609,66.835 C9.1 105.624,66.915 106.135,66.915 106.952,67.732 107.003,67.732 107.055,67.783 C6.1@107.055,67.855 ; C9.1@105.65,67.081 105.448,67.081 105.406,67.122 105.406,67.622 105.336,67.693 105.336,68.228 105.65,68.543 U1.23 ; U1.35 107.61,75 108,75.39 C7.1 108.007,75.403 108.798,75.403 108.951,75.251 v1(109.045,75.251) ; R4.1@108.239,69.89 108.157,69.807 108.157,69.232 108.896,68.492 v1(108.932,68.492)
  L2 (GND) w0.254: 102.9,66.2 103.367,66.667 104.444,66.667 104.594,66.517 105.764,66.517
  other v2: 101.2,70.55 102.3,70.55 103.4,70.55 104.5,70.55 105.6,70.55 101.2,71.65 102.3,71.65 103.4,71.65 104.5,71.65 105.6,71.65 101.2,72.75 102.3,72.75 103.4,72.75 104.5,72.75 105.6,72.75 101.2,73.85 102.3,73.85 103.4,73.85 104.5,73.85 105.6,73.85 101.2,74.95 102.3,74.95 103.4,74.95 104.5,74.95 105.6,74.95
  other v3: 94,79.9 95.1,79.9 94,81 95.1,81
IMU_INT: U1.45 U3.12 | length 10.5
  L1(SIGNAL) w0.25: U3.12 95.8,78.064 95.85,78.014 97.635,78.014 98.75,79.128 99.702,79.128 100.499,79.926 101.189,79.926 101.774,79.341 101.774,79.128 102.15,78.753 U1.45
IMU_REGOUT: C12.2 U3.10 | length 1.6
  L1(SIGNAL) w0.2: U3.10@94.825,78.45 94.825,77.364 94.917,77.271 94.917,77.156 94.92,77.153 94.92,76.982 C12.2@95.019,76.883
IMU_SCL: R5.1 U1.42 U3.23 | length 19.8
  L1(SIGNAL) w0.25: U3.23@93.8,82.425 93.8,83.314 95.474,84.988 102.438,84.988 103.537,83.889 103.537,83.168 103.687,83.018 103.737,83.018 103.961,82.794 103.961,79.765 103.7,79.504 103.7,76.475 103.65,76.425 U1.42
IMU_SDA: R6.1 U1.43 U3.24 | length 17.5
  L1(SIGNAL) w0.25: U3.24@93.3,82.425 93.3,83.786 93.663,84.149 v4(93.663,84.271) ; v4(100.298,81.967) 100.313,81.981 101.824,81.981 R6.1 101.839,81.079 103.15,79.768 U1.43
  L4(SIGNAL) w0.25: v4(93.663,84.271) 93.663,84.242 95.33,82.575 98.592,82.575 99.201,81.967 v4(100.298,81.967)
MCU_BOOT0: R2.2 U1.44 | length 5.4
  L1(SIGNAL) w0.25: R2.2@101.064,80.572 101.71,80.572 102.641,79.64 102.641,76.434 102.65,76.425 U1.44@102.65,76.159
MCU_LED_A: LED1.2 U1.26 | length 1.7
  L1(SIGNAL) w0.25: U1.26 107.493,70.5 107.812,70.819 108.086,70.819 108.218,70.951 108.243,70.951 108.303,71.011 LED1.2@108.303,71.036
MCU_LED_K: LED1.1 R4.2 | length 1.2
  L1(SIGNAL) w0.25: LED1.1 109.388,71.076 109.388,69.971 R4.2
MCU_NRESET: C10.2 J1.3 R3.1 U1.7 | length 25.9
  L1(SIGNAL) w0.25: v4(98.015,71.872) 98.015,71.926 98.589,72.5 U1.7 ; C10.2@107.98,85 R3.1 109.55,84.078 109.768,83.86 109.768,83.314 v4(109.854,83.228) 109.854,83.106 110.225,82.736 110.225,82.343 J1.3
  L4(SIGNAL) w0.25: v4(98.015,71.872) 98.015,74.699 106.544,83.228 v4(109.854,83.228)
MCU_OSC_IN: C1.2 U1.5 Y1.1 | length 13.3
  L1(SIGNAL) w0.25: C1.2@94.325,67.3 94.43,67.405 Y1.1@94.43,68.73 ; Y1.1@94.43,68.74 93.677,68.74 93.53,68.887 93.53,73.081 93.949,73.5 U1.5
MCU_OSC_OUT: R1.2 U1.6 | length 4.9
  L1(SIGNAL) w0.25: R1.2@96.079,71.162 96.325,71.162 96.441,71.278 96.441,71.529 96.587,71.675 96.76,71.675 97.449,72.365 97.449,72.557 97.892,73 U1.6
MCU_PA4: J3.2 U1.14 | length 5.4
  L1(SIGNAL) w0.25: J3.2 99.5,66.191 101.153,67.844 U1.14@101.153,69.125
MCU_PA5: J3.3 U1.15 | length 5.4
  L1(SIGNAL) w0.25: J3.3 100.5,66.438 101.65,67.588 U1.15
MCU_PA6: J3.4 U1.16 | length 5.2
  L1(SIGNAL) w0.25: J3.4 101.47,64.48 101.47,66.429 102.15,67.109 U1.16
MCU_PA7: J3.5 U1.17 | length 5
  L1(SIGNAL) w0.25: J3.5 102.652,64.602 102.652,69.073 102.65,69.075 U1.17@102.65,69.348
MCU_SWCLK: J1.4 U1.37 | length 6.4
  L1(SIGNAL) w0.25: U1.37 106.61,76.15 J1.4@110.823,80.363
MCU_SWDIO: J1.2 U1.34 | length 9.4
  L1(SIGNAL) w0.25: U1.34 109.2,74.5 112.068,77.368 J1.2
MCU_SWO: J1.6 U1.39 | length 7.1
  L1(SIGNAL) w0.25: U1.39 105.15,77.766 106.698,79.314 108.531,79.314 J1.6
MCU_VCAP1: C9.2 U1.22 | length 2.8
  L1(SIGNAL) w0.25: C9.2@104.179,66.913 104.179,66.92 104.382,67.122 104.389,67.122 104.886,67.619 104.886,68.415 105.15,68.679 U1.22
NetC14_2: C14.2 U3.20 | length 2
  L1(SIGNAL) w0.25: U3.20@95.3,82.425 U3.20 ; U3.20@95.3,83 U3.20 ; C14.2@95.627,83.987 95.627,83.96 95.495,83.828 95.468,83.828 95.3,83.66 U3.20
USB_D_N: J2.2 U1.32 | length 10.8
  L1(SIGNAL) w0.26: U1.32 107.065,73.5 107.085,73.52 111.713,73.52 ; 111.714,73.52 117.438,73.52 J2.2
USB_D_P: J2.3 U1.33 | length 10.8
  L1(SIGNAL) w0.26: U1.33 107.065,74 107.085,73.98 111.523,73.98 ; 111.523,73.98 117.438,73.98 J2.3
USB_POW_K: D1.1 R7.2 | length 1.5
  L1(SIGNAL) w0.26: D1.1 117.382,63.857 117.613,63.857 117.903,64.147 117.903,64.569 R7.2@117.952,64.618
VBUS: C15.2 J2.1 L1.1 | length 3
  L1(SIGNAL) w0.26: C15.2 115.6,72.411 ; L1.1@115.7,72.6 115.849,72.749 116.407,72.749 116.441,72.783 J2.1@117.525,72.783
XTAL_IN: C2.2 R1.1 Y1.3 | length 3.3
  L1(SIGNAL) w0.25: R1.1 95.276,71.078 95.476,71.278 95.476,71.572 95.775,71.871 95.775,72.211 C2.2@96.164,72.6 ; R1.1@95.275,70.992 95.275,70.519 95.613,70.18 95.82,70.18 Y1.3@96,70
pads on no net: J1. J2.4 J2.6 J2.7 J2.8 J2.9 J2.10 J2.11 J3.MP1 J3.MP2 U1.2 U1.3 U1.4 U1.10 U1.11 U1.12 U1.13 U1.18 U1.19 U1.20 U1.21 U1.25 U1.27 U1.28 U1.29 U1.30 U1.31 U1.38 U1.40 U1.41 U1.46 U3.2 U3.3 U3.4 U3.5 U3.6 U3.14 U3.15 U3.16 U3.17 U3.19 U3.21 U3.22

## Polygon pours and split planes (outlines as drawn)
GND on L1(SIGNAL) "GND_L01_P010" (solid, pour order 10): 113.4,70.6 113.5,70.5 116,70.5 116.2,70.3 116.2,69.2 118.4,67 118.4,65.4 118.1,65.1 114.6,65.1 114,65.7 114,68.7 113.8,68.9 113.7,68.8 112.3,68.8 112.1,69 112.1,69.6
3V3 on L1(SIGNAL) "3V3_L01_P009" (solid, pour order 9): 112.4,68.3 113.3,68.3 113.7,67.9 113.7,64.3 115.4,62.6 117.4,62.6 117.4,62.5 117.7,62.2 117.7,61.9 117.3,61.5 114.6,61.5 114.6,59.7 114.1,59.2 111.3,59.2 110.8,59.7 110.8,62.6 110.922,64.322 111.8,65.2 112.1,65.2 112.1,67.9 112.2,68
+5 on L1(SIGNAL) "+5_L01_P008" (solid, pour order 8): 113.6,73.3 114.6,73.3 114.8,73.1 114.8,71.4 114.4,71 112.8,71 111.7,69.9 111.7,65.6 109.8,65.6 109.7,65.7 109.7,68.8 110.7,69.8 110.6,69.9 110.6,72.8 110.7,72.8 111.1,73.2
VBUS on L1(SIGNAL) "VBUS_L01_P001" (solid, pour order 1): 115.2,73.1 118.2,73.1 118.3,73 118.3,72.6 118.2,72.5 116.6,72.5 116.3,72.2 116.3,71 116.1,70.8 115.2,70.8 115,71 115,72.9
GND on L2 (GND) "GND_L02_P005" (solid, pour order 5): 92.95,86 119.9,86 121.6,84.3 121.5,84.2 121.5,60.3 120.5,59.3 120.4,59.4 91.7,59.4 90.4,60.7 90.4,84.543
GND on L3(GND) "GND_L03_P007" (solid, pour order 7): 92.45,85.9 120.1,85.9 121.5,84.5 121.5,60.1 120.6,59.2 91.5,59.2 90.2,60.5 90.2,84.335

## Silkscreen, mask and mechanical layers (free items; w line width, h text height)
Top Overlay:
  drawing of 105 lines, arcs and shapes, not listed
  text "SWD" at 110.254,76.554 h0.82
  text "USB" at 118.354,68.254 h0.82
  text "STM32_MP" at 99.117,67.799 h0.82
  text "GPIO" at 98.954,65.554 h0.82
Mechanical 1:
  lines w0.254: 90,60.27 ccw(c91.27,60.27) 91.27,59 92.27,59 119.73,59 120.73,59 ccw(c120.73,60.27) 122,60.27 122,61.27 122,83.73 122,84.73 ccw(c120.73,84.73) 120.73,86 119.73,86 92.27,86 91.27,86 ccw(c91.27,84.73) 90,84.73 90,83.73 90,62 90,60.27

## Text inside footprints (layer, text, board x,y; h text height)
L1: Mechanical 6 "Land Pattern Adapted for Flow Soldering" at 115.912,72.173 h0.05 r180